# Altium PCB 2.PcbDoc (part 1 of 22) (continued)
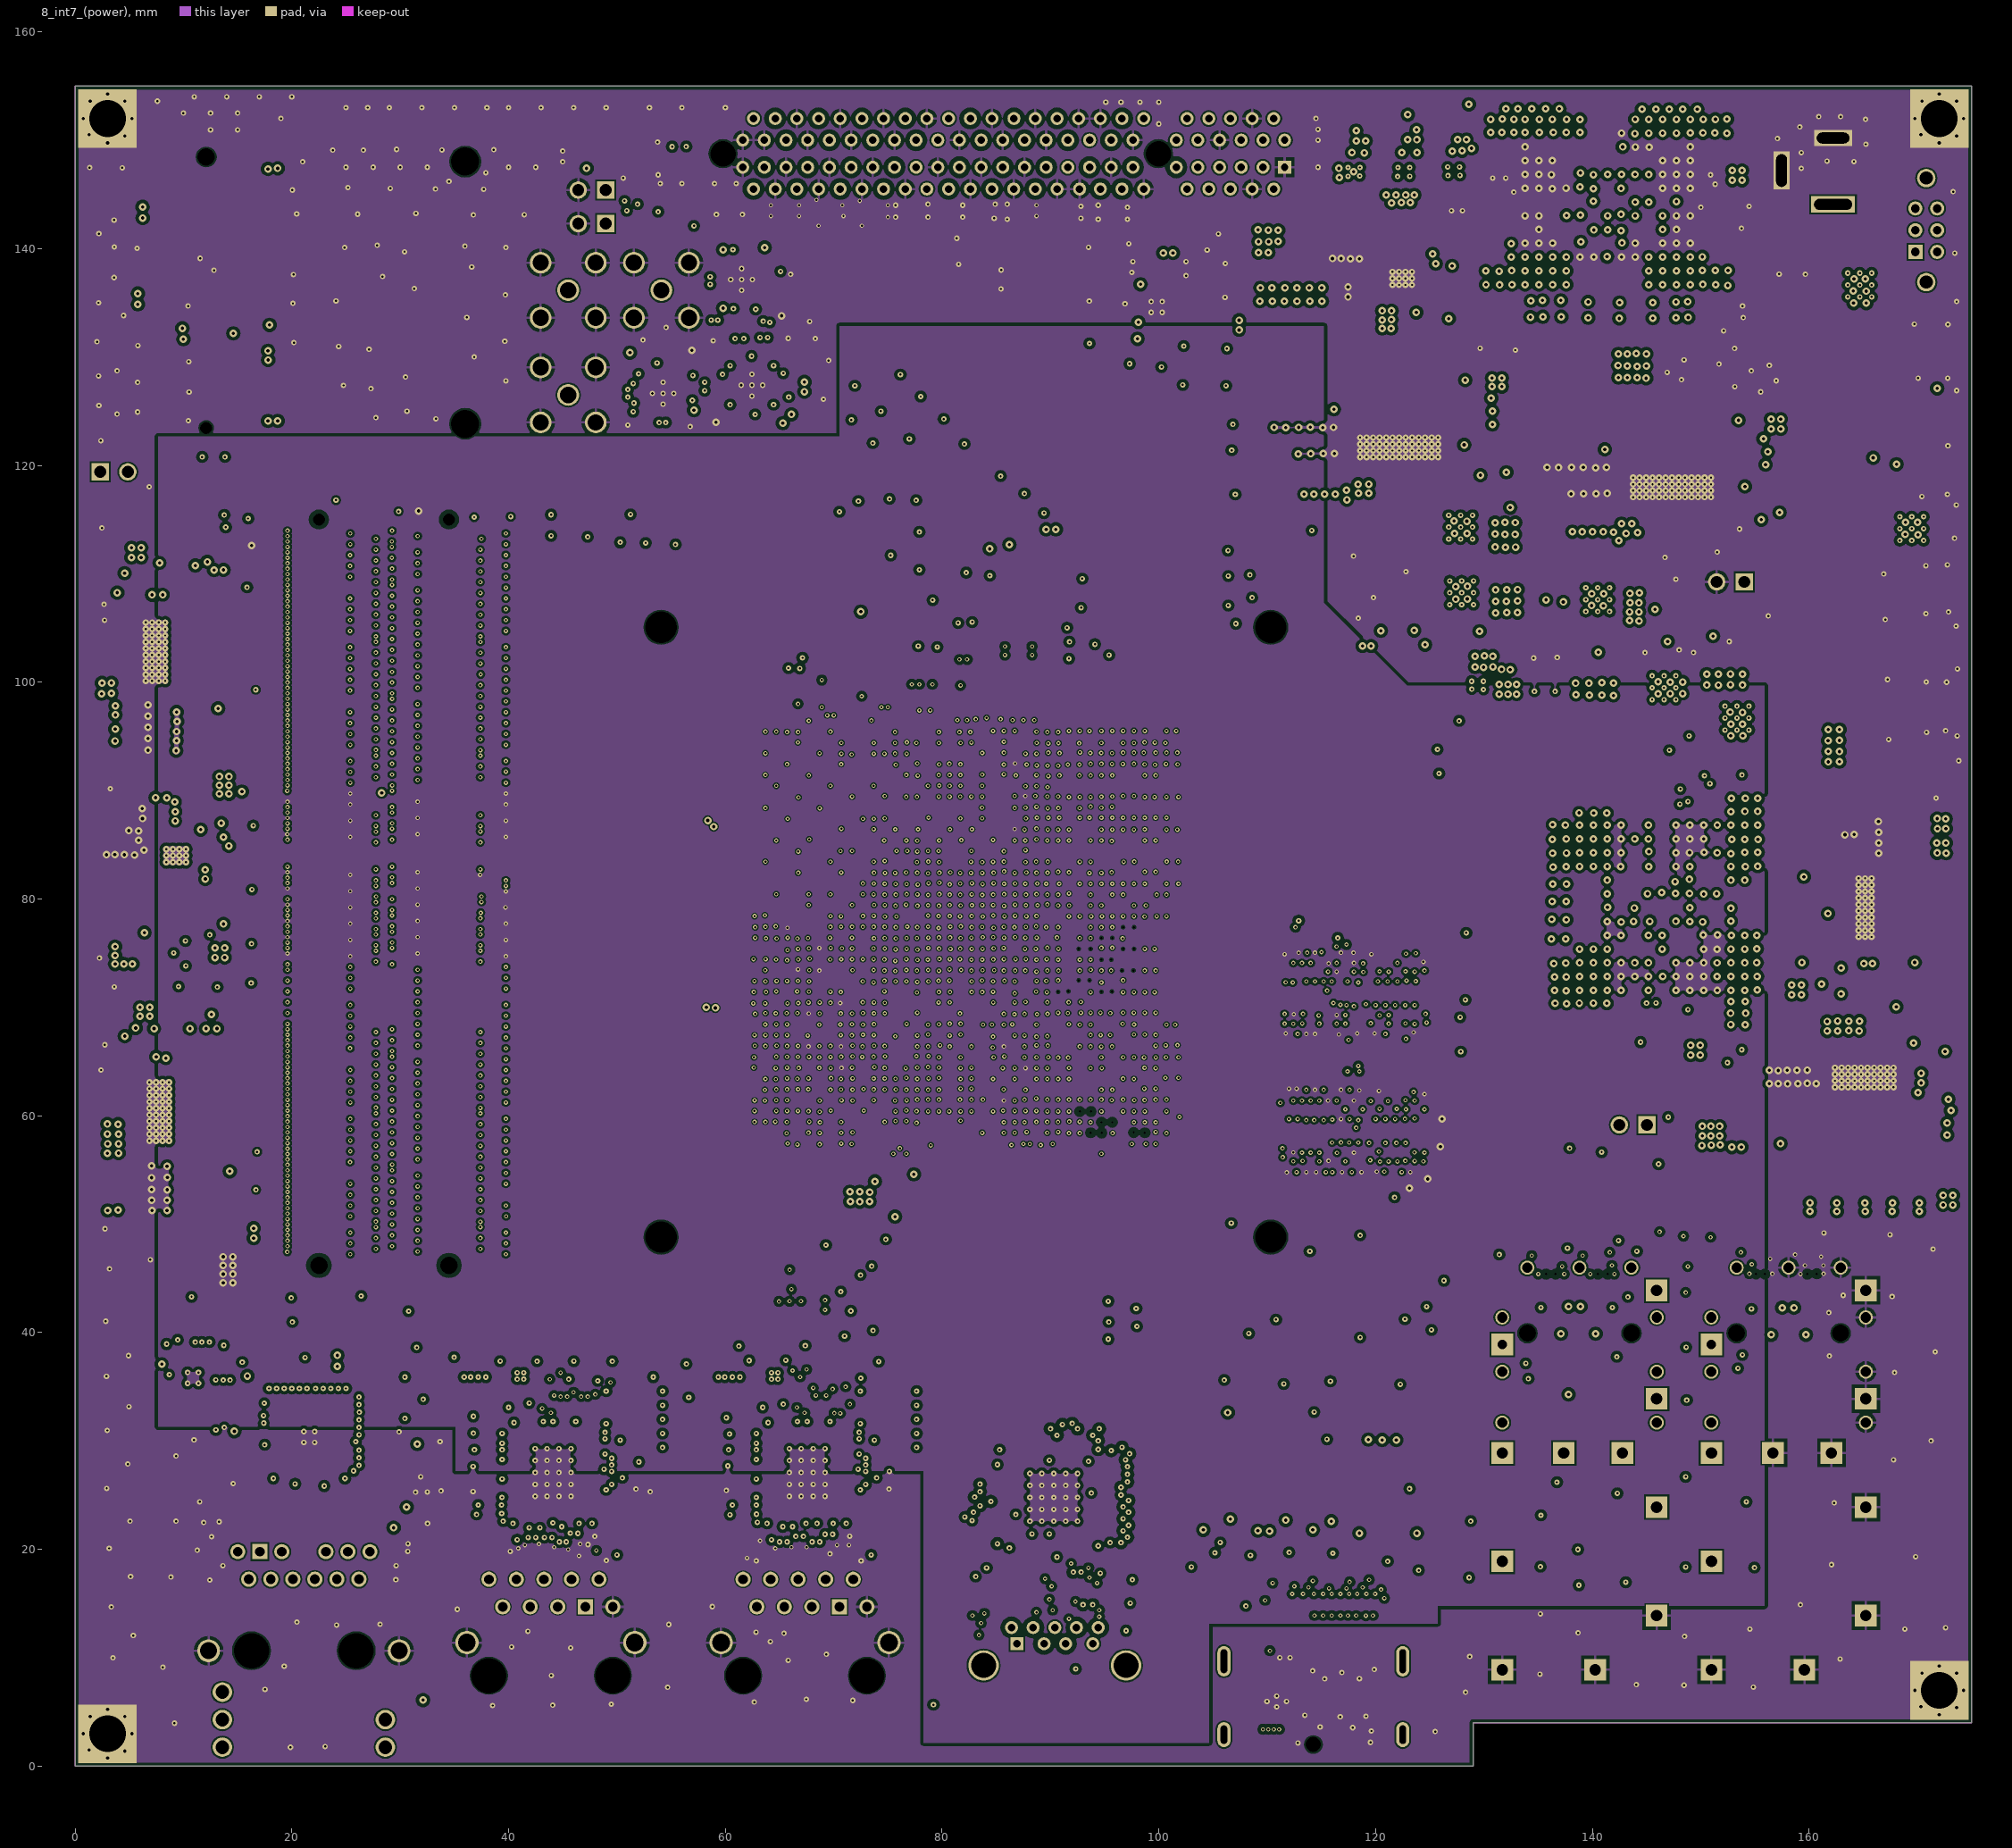
[diagram p8: 8_int7_(power)]
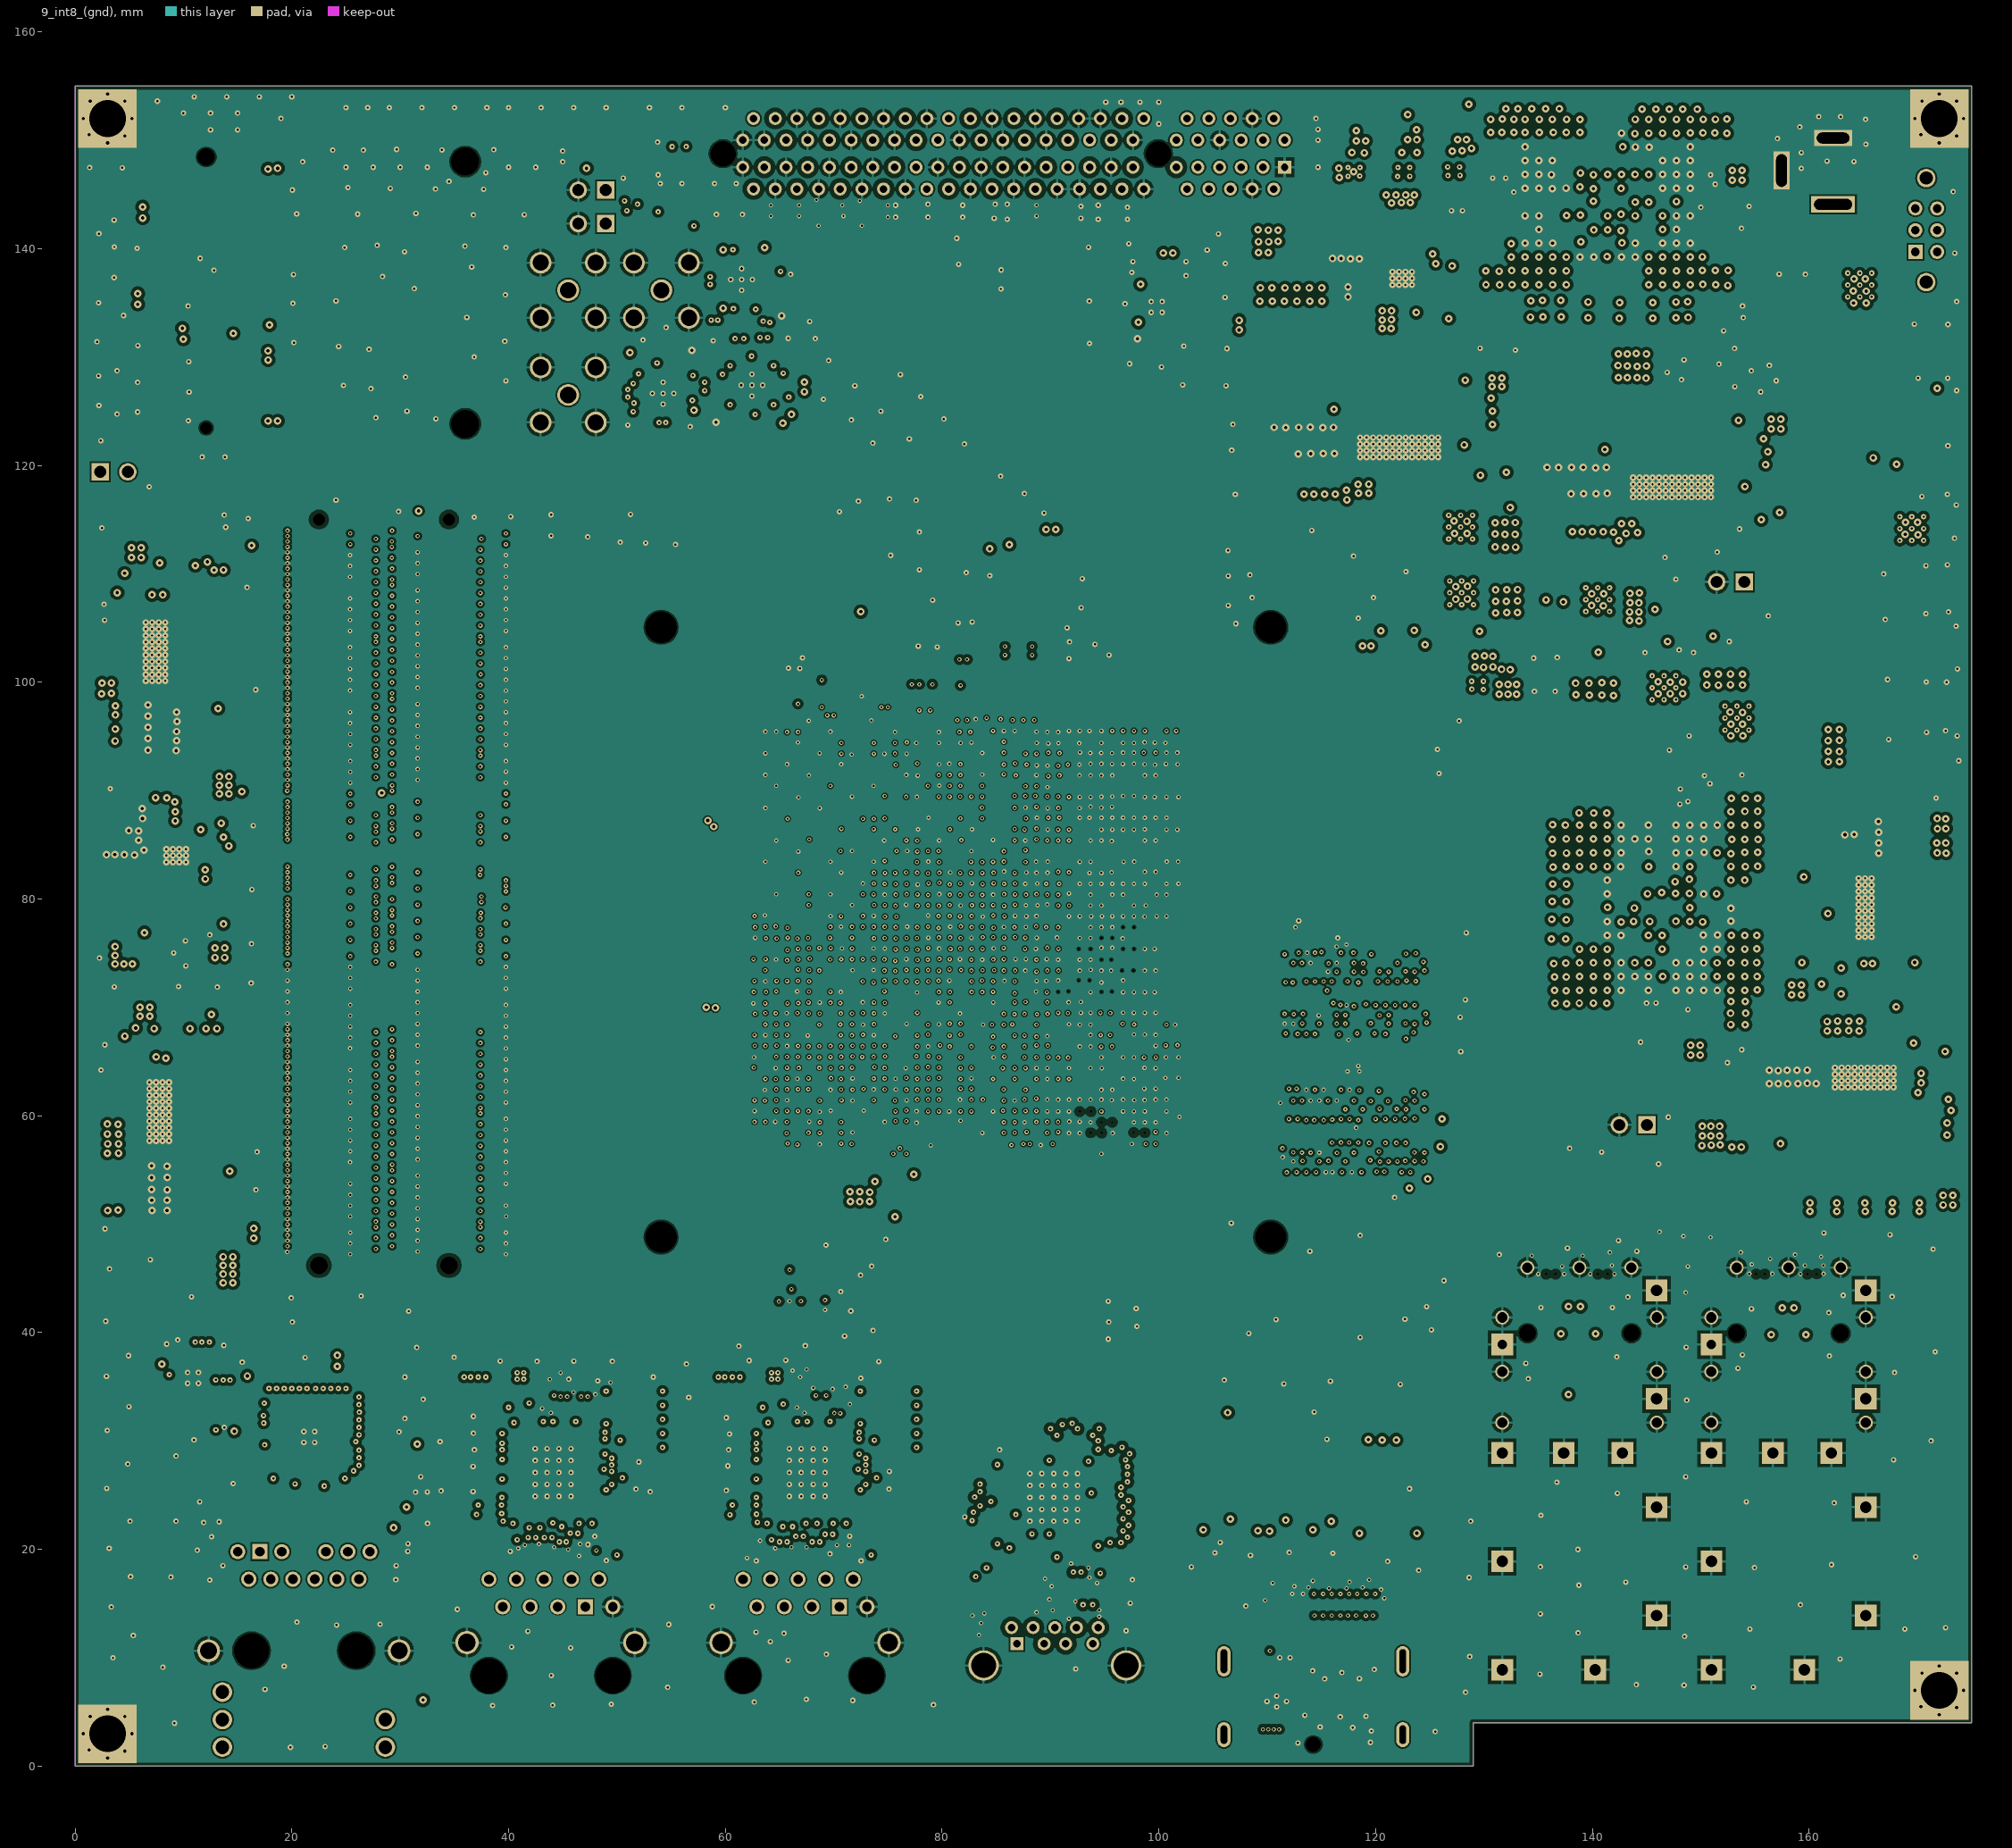
[diagram p9: 9_int8_(gnd)]
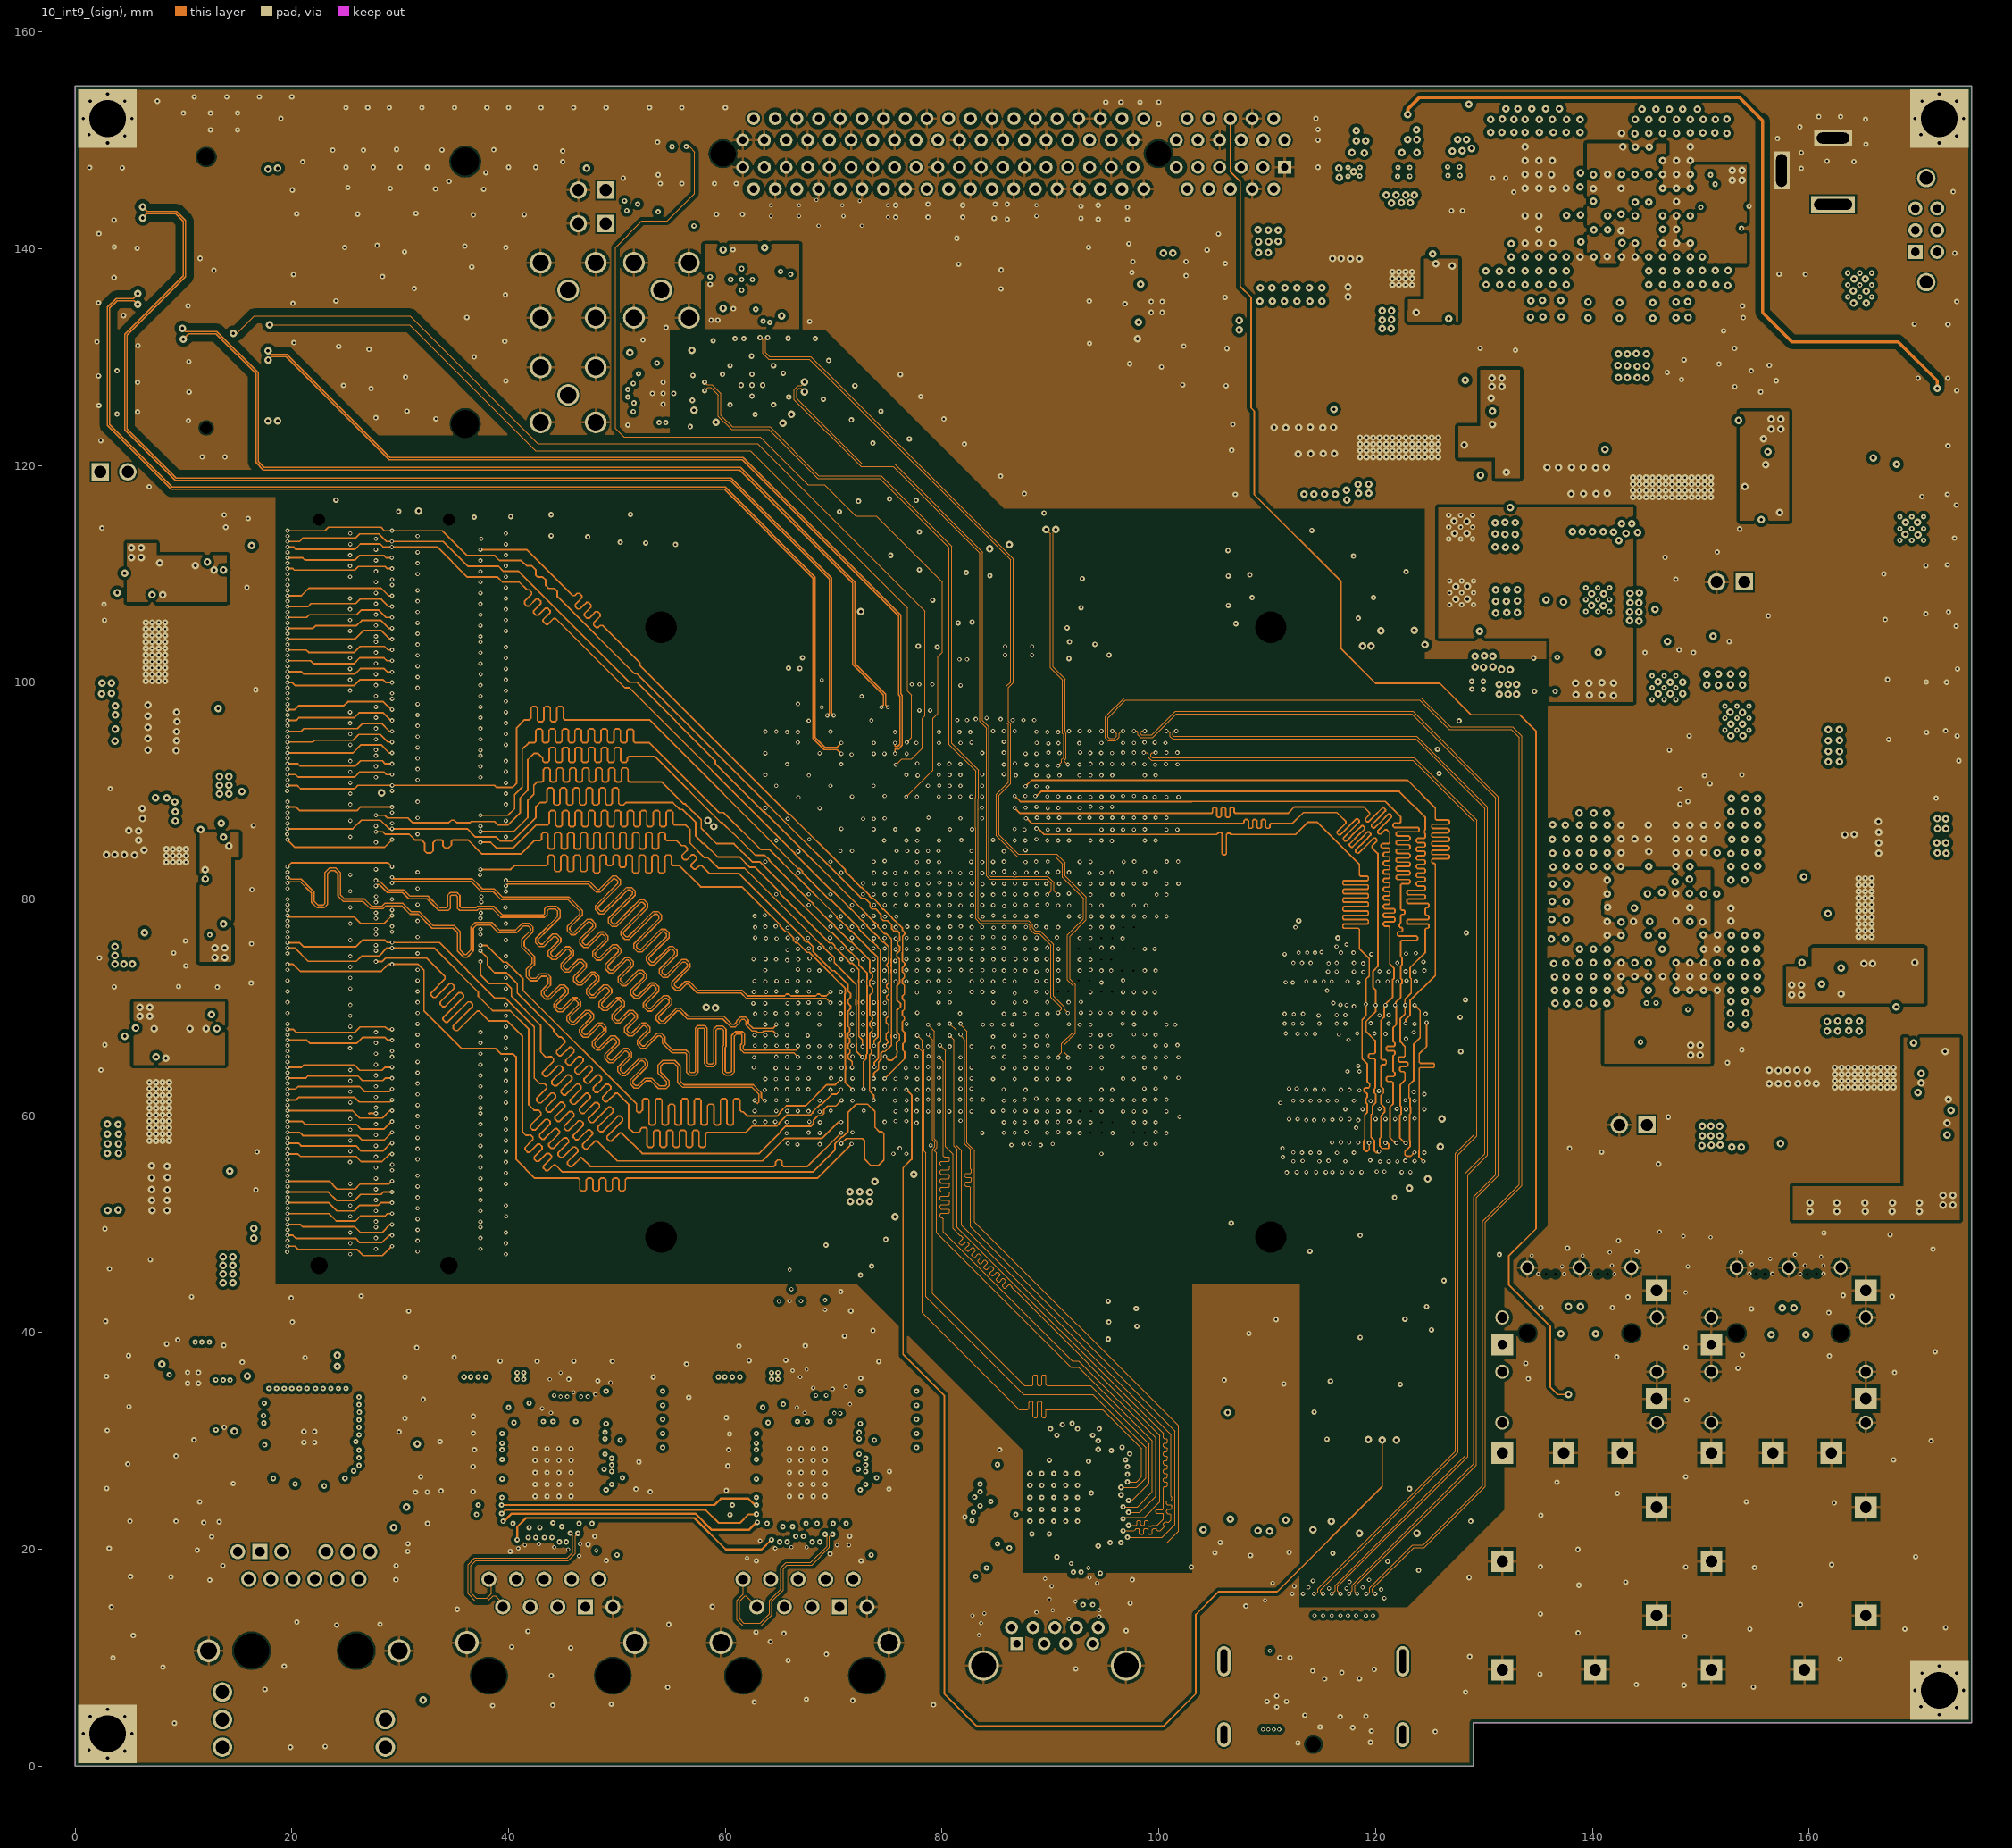
[diagram p10: 10_int9_(sign)]
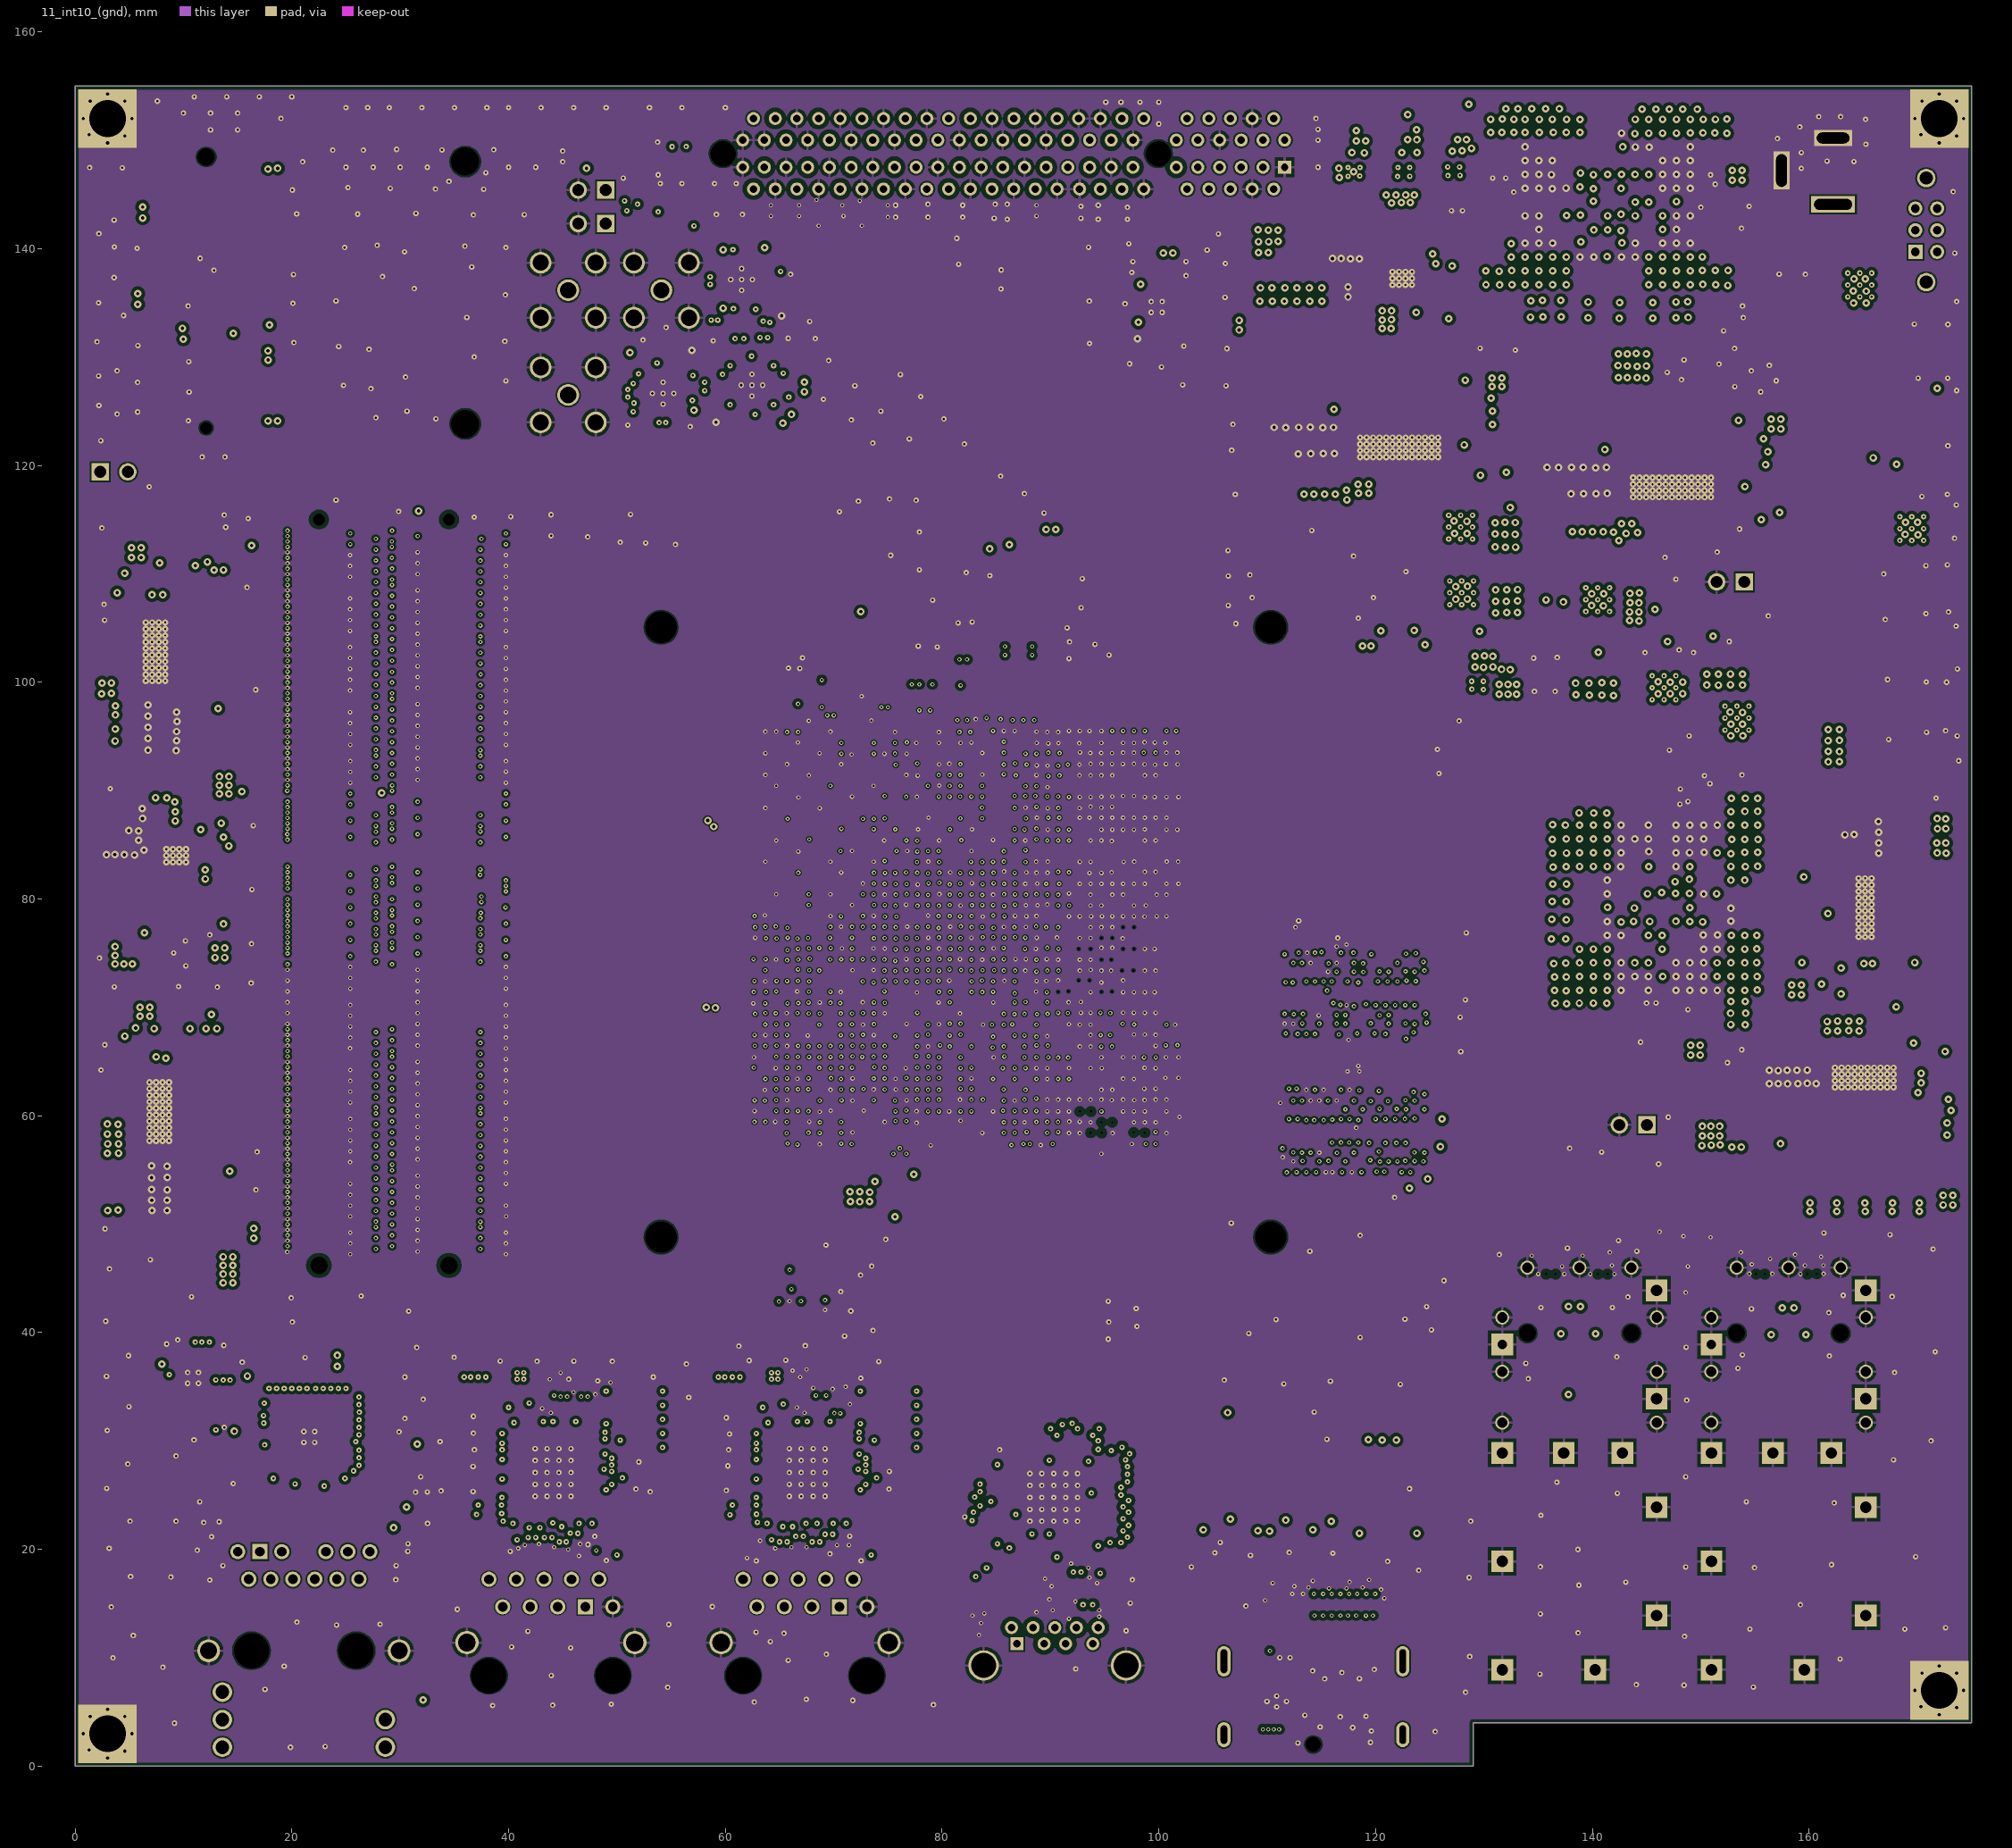
[diagram p11: 11_int10_(gnd)]